# Altium PCB PCB1.PcbDoc
Units mil, origin at the board's own origin, x right, y up, seen from the top; angles counter-clockwise.
Board outline 3945 x 3545 mil, 2 copper layers (Top Layer, Bottom Layer); 30 components, 25 nets, 115 pads, 0 vias.
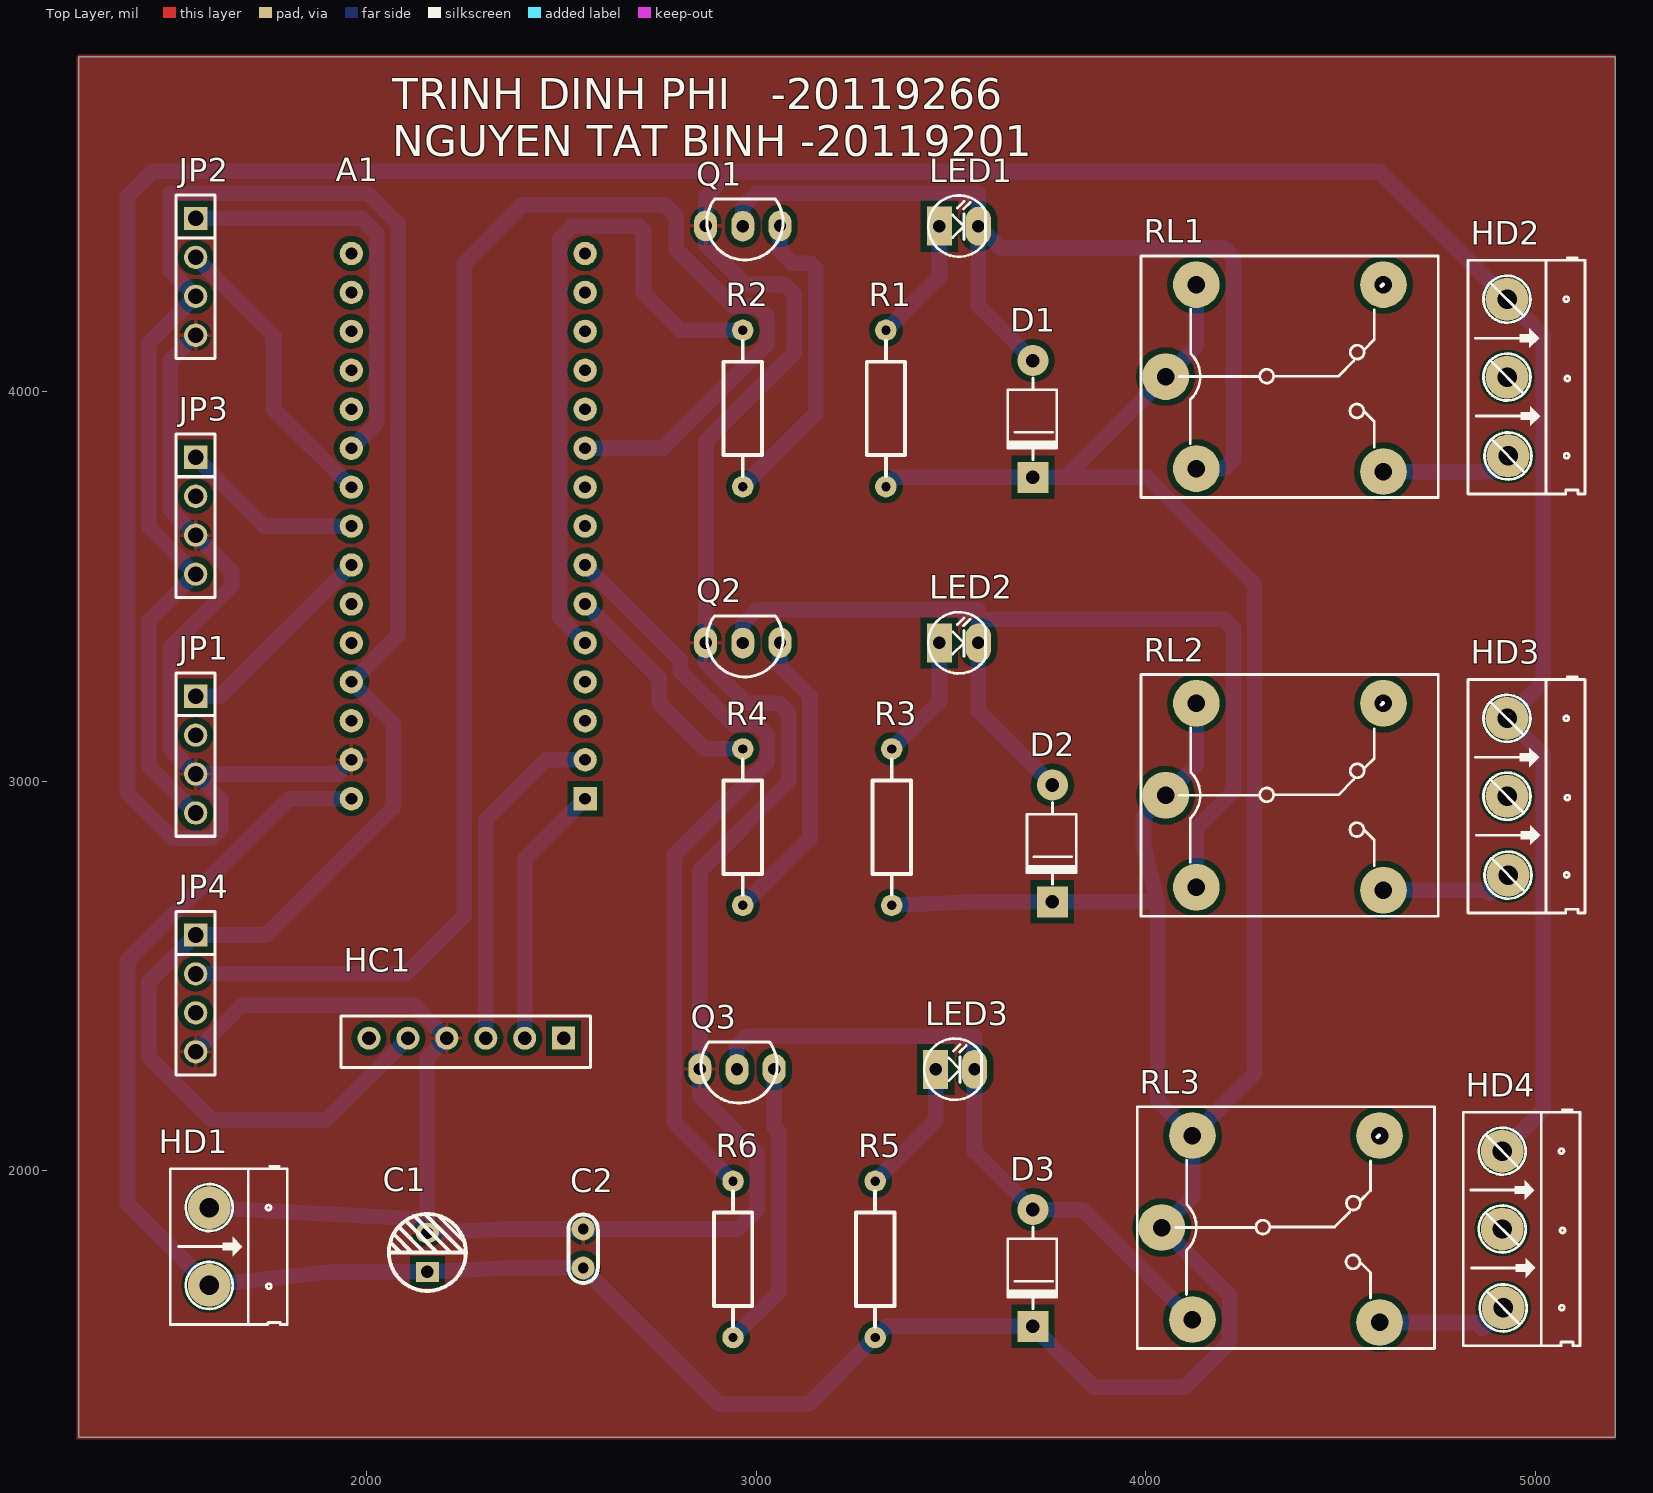
[diagram p0: Top Layer view]
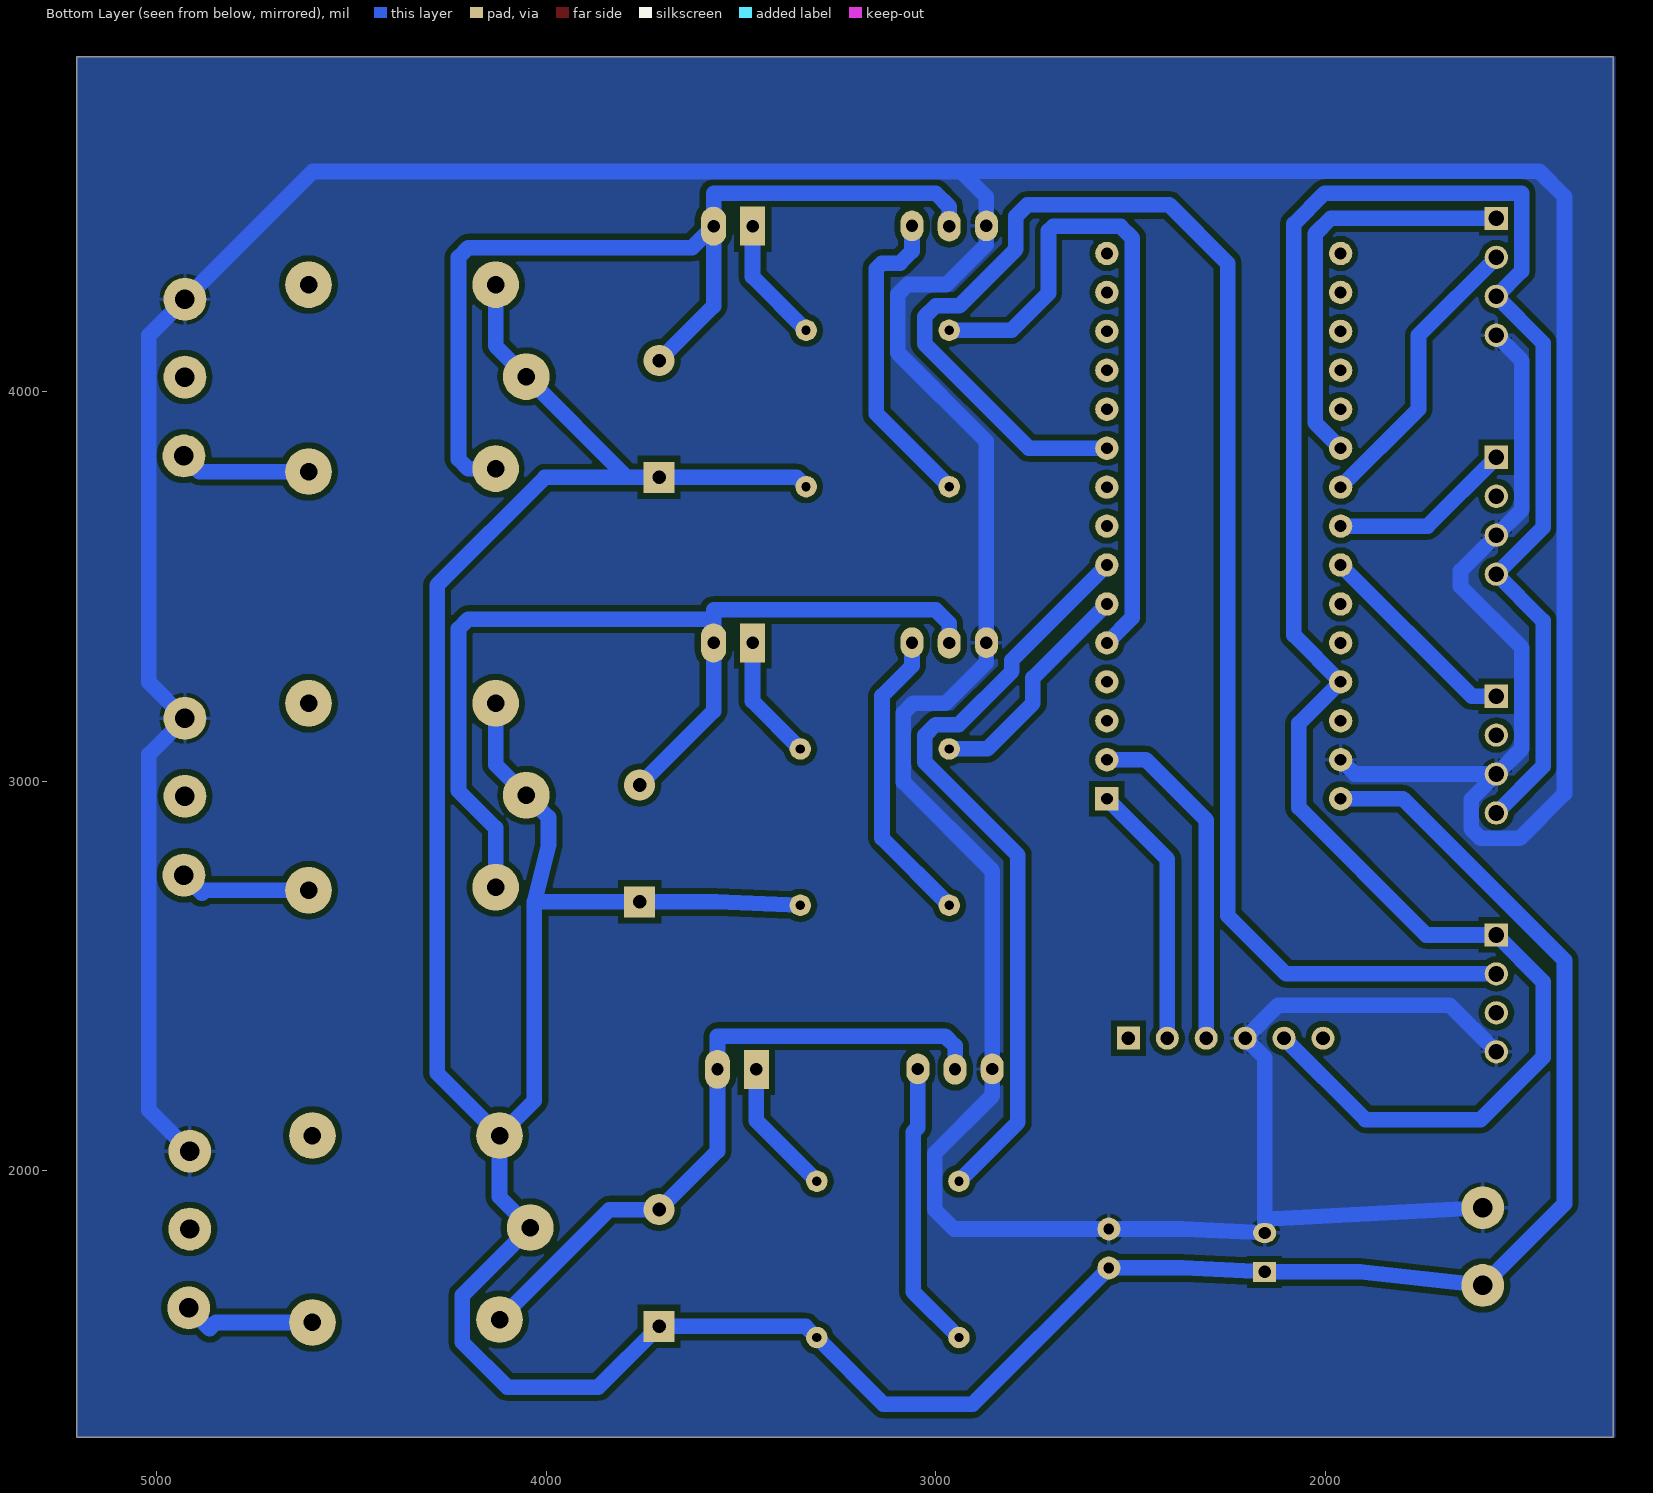
[diagram p1: Bottom Layer view, seen from below]
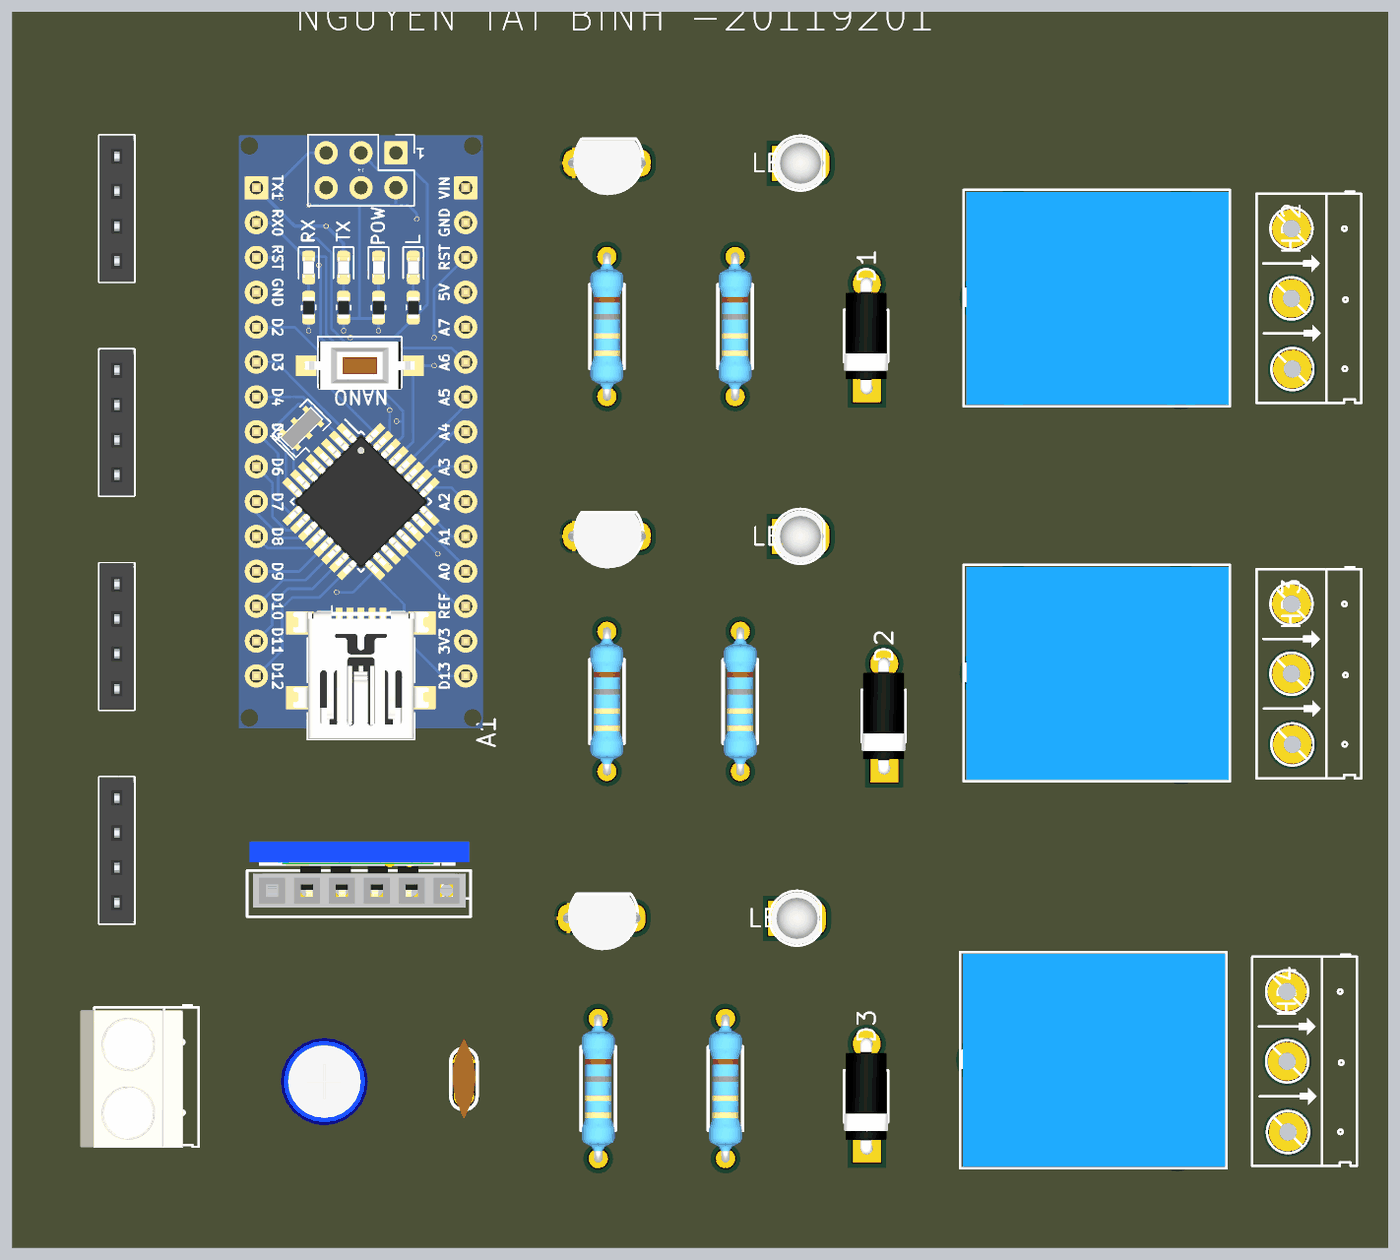
[diagram p2: 3D render of the assembled board from above, using the file's embedded part models]

## Layer stack, top to bottom
Top Solder: solder mask 0.4, Solder Resist, Dk 3.5
Top Layer: signal copper 1.4
Dielectric 1: dielectric 12.6, FR-4, Dk 4.8
Bottom Layer: signal copper 1.4
Bottom Solder: solder mask 0.4, Solder Resist, Dk 3.5

## Board outline
1260,1315 5205,1315 5205,4860 1260,4860

## Design rules (kind name [scope] priority, off if disabled: settings)
Clearance [All] p1: gap=15
PolygonConnect [All] p1: connectstyle=Relief reliefconductorwidth=10 reliefentries=4 polygonreliefangle="90 Angle" airgapwidth=10
RoutingLayers [All] p1: top layer_v5=FALSE bottom layer_v5=TRUE
RoutingVias [All] p1: holewidth=28 width=50 viastyle="Through Hole" minholewidth=28 minwidth=50 maxholewidth=28 maxwidth=50
SilkToSilkClearance [IsText vs IsPolygon] p1: silktosilkclearance=10
SilkToSolderMaskClearance [IsText] p1: minsilkscreentomaskgap=10 clearancetoexposedcopper=TRUE
SolderMaskExpansion [All] p1: expansion=4
Width [All] p1: maxlimit=80 minlimit=20 preferedwidth=40
27 further rules are at their usual default settings.

## Components (designator, comment, footprint, x,y, rotation, side; value= is the part's Value field where it differs from the comment)
A1 "Nano" "Arduino nano" 2620,2795 r90 top
C1 "47uF" "tu hoa 5mm" 2155,1790 r90 top
C2 "104" "tu gom" 2555,1800 r90 top
D1 "100v" "DIODE 1A" 3710,4130 r90 top
D2 "100v" "DIODE 1A" 3760,3040 r90 top
D3 "100v" "DIODE 1A" 3710,1950 r90 top
HC1 "HC05 Bluetooth" "HC05 Bluethooth Dung" 2505,2340 r180 top
HD1 "Header 2" HED2 1595,1905 r270 top
HD2 "Header 3" HED3 4927.38,4237.62 r270 top
HD3 "Header 3" HED3 4927.38,3161.31 r270 top
HD4 "Header 3" HED3 4915,2050 r270 top
JP1 "Cb_Anh_Sang" "JP 1x4 CT" 1560,3218.33 r270 top
JP2 "RTC" "JP 1x4 CT" 1560,4445 r270 top
JP3 "Cb_Do_Am_Dat" "JP 1x4 CT" 1560,3831.67 r270 top
JP4 "DHT11" "JP 1x4 CT" 1560,2605 r270 top
LED1 "LED" LED-3 3470,4425 r0 top
LED2 "LED" LED-3 3470,3355 r0 top
LED3 "LED" LED-3 3460,2260 r0 top
Q1 "NPN" TRAN-LOWPOWER 2970.47,4430.94 r90 top
Q2 "NPN" TRAN-LOWPOWER 2970.47,3360.59 r90 top
Q3 "NPN" TRAN-LOWPOWER 2955.47,2265.94 r90 top
R1 "1k" "tro vach 1/4w" 3332.36,3957.03 r90 top
R2 "5.6k" "tro vach 1/4w" 2965,3957.03 r90 top
R3 "1k" "tro vach 1/4w" 3347.36,2882.03 r90 top
R4 "5.6k" "tro vach 1/4w" 2965,2882.03 r90 top
R5 "1k" "tro vach 1/4w" 3304.86,1772.03 r90 top
R6 "5.6k" "tro vach 1/4w" 2940,1772.03 r90 top
RL1 "Relay" "Relay 5 Chan SRD" 4050.94,4038.78 r0 top
RL2 "Relay" "Relay 5 Chan SRD" 4050.94,2963.78 r0 top
RL3 "Relay" "Relay 5 Chan SRD" 4040.94,1853.78 r0 top

## Footprints (in the part's own frame and the unit in brackets; to place one, negate y for a bottom-side part, rotate by r counter-clockwise, add the part's x,y. Pads: shape width x height; smd on the part's side, far side on the other; paste and mask are expansions set on the pad)
"Arduino nano" [mil] "arduino nano"
  rect 60x60 hole 30: 0(160,60)
  round 60 hole 30: 1(260,60) 2(360,60) 3(460,60) 4(560,60) 5(660,60) 6(760,60) 7(860,60) 8(960,60) 9(1060,60) 10(1160,60) 11(1260,60) 12(1360,60) 13(1460,60) 14(1560,60) 15(1560,660) 16(1460,660) 17(1360,660) 18(1260,660) 19(1160,660) 20(1060,660) 21(960,660) 22(860,660) 23(760,660) 24(660,660) 25(560,660) 26(460,660) 27(360,660) 28(260,660) 29(160,660)
  body extent -25,10 1715,710, height 507
"DIODE 1A" [mil] "Diode 1A"
  round 80 hole 35: 1(-50,0)
  rect 80x80 hole 35: 2(-350,0)
  silkscreen extent -305,-61 -95,65, body extent -366,-61 -34,65, height 122
"HC05 Bluethooth Dung" [mm] "Connector; Header; 6 Position"
  rect 1.5x1.5 hole 0.9: 1(0,0)
  round 1.5 hole 0.9: 2(2.54,0) 3(5.08,0) 4(7.62,0) 5(10.16,0) 6(12.7,0)
  silkscreen extent -1.76,-1.46 14.51,1.9, body extent -1.65,-3.56 14.35,1.26, height 38
HED2 [mil] "Header 2, 2 pin, hight 300mil, Pin to Pin 200, Colour Green"
  round 110 hole 50: 1(0,0) 2(200,0)
  silkscreen extent -106,-100 300,200, body extent -92,-140 302,155, height 394
HED3 [mil] "Header 3, 3 pin, hight 300mil, Pin to Pin 200, Colour Green"
  round 110 hole 50: 1(0,0) 2(200,0) 3(402.62,2.62)
  silkscreen extent -106,-100 500,200
"JP 1x4 CT" [mm]
  rect 1.52x1.52 hole 1.02: 1(0,0)
  round 1.52 hole 1.02: 2(2.54,0) 3(5.08,0) 4(7.62,0)
  silkscreen extent -1.52,-1.27 9.14,1.27, body extent -1.52,-1.25 9.14,1.25, height 8.51
LED-3 [mil] "LED 2 PIN, 3ly Only colour"
  rect 65x100 hole 32: 1(0,0)
  oval 65x100 hole 32: 2(100,0)
  silkscreen extent -29,-78 118,79, body extent -25,-75 113,75, height 217
"Relay 5 Chan SRD" [mil] "Relay SPDT, 5 pin, 10A,W 650mil, L 800mil, H 800mil"
  round 120 hole 45: 1(0,0) 2(559.06,236.22) 3(559.06,-243.78) 4(78.74,-236.22) 5(78.74,236.22)
  silkscreen extent -63,-311 700,310, body extent -55,-306 697,304, height 602
TRAN-LOWPOWER [mm] "TO, Flat Index; 3 In-Line, Axial Leads; Body Dia. 4.5mm; Leads 0.51 x 0.48 mm (max)"
  oval 2x1.5 hole 0.8: 1(-0.127,-2.286) 2(-0.151,0.139) 3(-0.127,2.564)
  silkscreen extent -2.35,-2.48 1.63,2.48, body extent -2.48,-2.79 1.52,3.01, height 11
"tro vach 1/4w" [mm]
  round 1.4 hole 0.6: 1(-5.1,0) 2(5.1,0)
  silkscreen extent -4.39,-1.25 4.42,1.25, body extent -5.38,-1.2 5.38,1.2, height 2.41
"tu gom" [mm] "Tu gom mini"
  round 1.5 hole 0.7: 1(-1.27,0) 2(1.27,0)
  silkscreen extent -2.25,-0.97 2.22,0.97, body extent -2.92,-0.85 2.92,0.85, height 6.12
"tu hoa 5mm" [mm]
  rect 1.3x1.5 hole 0.8: 1(-1.27,0)
  oval 1.3x1.5 hole 0.8: 2(1.27,0)
  silkscreen extent -2.51,-2.51 2.51,2.51, body extent -3.12,-3.18 3.23,3.18, height 14.55

## Part data
A1: library part "Arduino Nano"
C1: library part "Tu Hoa 47uF 25V 5x8", "C?m"
C2: library part "Tu gom 104 50V", "C?m"
D1 D2 D3: library part "Diode 1N4007", "C?m"
HC1: "Bluetooth HC05"
HD1: library part Hed2, "Header 2 (Green)"
HD2 HD3 HD4: library part Hed3, "Header 3 (Green)"
JP1 JP2 JP3 JP4: library part "JP 1x4 2.54 Cai Thang", "C?m"
LED1 LED2 LED3: "LED Single colour Green and Red"
Q1 Q2 Q3: "NPN General"
R1 R2 R3 R4 R5 R6: library part "Tro Vach 1/4W 5% 5.6k", "C?m"
RL1 RL2 RL3: library part "Relay 5 Chan SRD", "Relay 5 Chan"

## Nets (pads, with @x,y where several pads share a name; then routed paths per layer and width w, separated by ;. In a path a pad name is that pad's centre, name@x,y a point inside that pad or via, vN(x,y) a via of type N, cw(c..) or ccw(c..) an arc to the next point about the centre after c; other vN are vias at no path point)
5V: A1.26 HC1.5 JP1.4 JP2.3 JP3.4 JP4.1 | length 5851.9
  Bottom Layer w40: JP1.4 1440,3038.33 1440,3411.67 JP3.4 1440,3651.67 1440,4125 JP2.3 1495.08,4309.92 1495.08,4509.92 2001.08,4509.92 2080,4431 2080,3375 A1.26 2067,3148 2067,2932 1740,2605 JP4.1 1440,2485 1440,2291 1600,2131 1896,2131 HC1.5
A0: A1.22 JP3.1 | length 473.2
  Bottom Layer w40: JP3.1 1736.67,3655 A1.22
A1: A1.23 JP1.1 | length 539.5
  Bottom Layer w40: JP1.1 1623.33,3218.33 A1.23
D0: A1.0 HC1.2 | length 679.2
  Bottom Layer w40: HC1.2 2405,2800 A1.0
D1: A1.1 HC1.3 | length 879.2
  Bottom Layer w40: HC1.3 2305,2900 2460,3055 A1.1
D2: A1.4 R2.2 | length 1753
  Bottom Layer w40: A1.4 2495,3420 2495,4394.5 2525,4424.5 2698.32,4424.5 2709.93,4412.89 2709.93,4252.96 2805.07,4157.82 R2.2
D3: A1.5 R4.2 | length 597.2
  Bottom Layer w40: A1.5 2750,3265 2750,3200 2867.18,3082.82 R4.2
D4: A1.6 R6.2 | length 1972
  Bottom Layer w40: A1.6 2804,3311 2804,3282 2940.62,3145.38 3000,3145.38 3027.56,3117.82 3027.56,3048.56 2789,2810 2789,2123.82 R6.2
DATA: A1.9 JP4.2 | length 4084.4
  Bottom Layer w40: JP4.2 2100,2505 2250,2655 2250,4330 2400,4480 2764,4480 2794,4450 2794,4365.38 2939,4220.38 3000,4220.38 3028,4192.38 3028,4123 2760,3855 A1.9
GND: A1.28 C1.2 C2.2 HC1.4 HD1.1 HD2.1 HD3.1 HD4.1 JP1.3 JP2.4 JP3.3 JP4.4 Q1.3 Q2.3 Q3.3 | length 17352.4
  Bottom Layer w40: JP4.4 1680,2425 2120,2425 HC1.4 2155,2290 2155,1875 ; JP2.4 1495,4080 1495,3696.67 JP3.3 1652,3539.67 1652,3500 1495,3343 1495,3083.33 JP1.3 ; HD1.1 2155,1875 ; A1.28 1923.33,3018.33 JP1.3 ; HD4.1 5020,2155 5020,3068.69 HD3.1 5020,3253.93 5020,4145 HD2.1 4599.47,4565.53 ; JP1.3 1625,2953.33 1625,2878 1600,2853 1500,2853 1385,2968 1385,4501 1450,4566 4599,4566 4599.47,4565.53 ; 2155,1875 C1.2 2365,1850 C2.2 2952.56,1850 3002.56,1900 3002.56,2044 2854.53,2192.03 Q3.3 2854.53,2769.78 3082.56,2997.82 3082.56,3175 3057.18,3200.38 2973.48,3200.38 2869.53,3304.33 Q2.3 2869.53,3872.45 3097.08,4100 3097.08,4250 3071.7,4275.38 2972.18,4275.38 2869.53,4378.03 Q1.3 2869.53,4500 2935.06,4565.53 4599.47,4565.53
NetD1_1: D1.1 LED1.2 Q1.2 RL1.4 | length 2469.9
  Bottom Layer w40: Q1.2 2965,4475 3000,4510 3570,4510 LED1.2 ; D1.1 3570,4220 LED1.2 ; RL1.4 4129.69,3802 4200,3802 4225,3827 4225,4345 4200,4370 3625,4370 LED1.2
NetD2_1: D2.1 LED2.2 Q2.2 RL2.4 | length 2566.8
  Bottom Layer w40: Q2.2 2965,3405 3000,3440 3570,3440 3570,3416 ; D2.1 3570,3180 LED2.2 3570,3416 ; RL2.4 4129.69,2879.69 4225,2975 4225,3391 4200,3416 3570,3416
NetD3_1: D3.1 LED3.2 Q3.2 RL3.4 | length 1714.2
  Bottom Layer w40: Q3.2 2950,2320 2975,2345 3560,2345 LED3.2 3560,2050 D3.1 3837.25,1900 RL3.4
NetHD2_3: HD2.3 RL1.3 | length 336.6
  Bottom Layer w40: RL1.3 4890,3795 HD2.3
NetHD3_3: HD3.3 RL2.3 | length 342.4
  Bottom Layer w40: RL2.3 4876,2720 4883.65,2712.35 HD3.3
NetHD4_3: HD4.3 RL3.3 | length 346.6
  Bottom Layer w40: RL3.3 4847.76,1610 4864,1593.76 HD4.3
NetLED1_1: LED1.1 R1.2 | length 324.2
  Bottom Layer w40: R1.2 3470,4295.45 LED1.1
NetLED2_1: LED2.1 R3.2 | length 323
  Bottom Layer w40: R3.2 3470,3205.45 LED2.1
NetLED3_1: LED3.1 R5.2 | length 351.4
  Bottom Layer w40: R5.2 3460,2127.95 LED3.1
NetQ1_1: Q1.1 R2.1 | length 812.2
  Bottom Layer w40: R2.1 3152.08,3943.32 3152.08,4315.86 3137.56,4330.38 3091.42,4330.38 3060.47,4361.32 Q1.1
NetQ2_1: Q2.1 R4.1 | length 777.8
  Bottom Layer w40: R4.1 3137.56,2853.8 3137.56,3218.91 3060.47,3296 Q2.1
NetQ3_1: Q3.1 R6.1 | length 743.4
  Bottom Layer w40: R6.1 3057.56,1688.8 3057.56,2098.64 3045.47,2110.73 Q3.1
SCL: A1.20 JP2.1 | length 1058.8
  Bottom Layer w40: JP2.1 1985.56,4445 2025,4405.56 2025,3920 A1.20
SDA: A1.21 JP2.2 | length 755.7
  Bottom Layer w40: JP2.2 1760,4145 1760,3955 A1.21
Vin: A1.29 C1.1 C2.1 D1.2 D2.2 D3.2 HD1.2 R1.1 R3.1 R5.1 RL1.1 RL1.5 RL2.1 RL2.5 RL3.1 RL3.5 | length 10343.8
  Bottom Layer w40: A1.29 1800,2955 1385,2540 1385,1915 HD1.2 1910,1740 C1.1 2365,1750 C2.1 2905,1400 3133.62,1400 R5.1 3333.62,1600 D3.2 3866,1444 4100,1444 4215,1559 4215,1679.72 RL3.1 4119.69,1932.52 RL3.5 ; R1.1 3356.12,3780 D1.2 3792.16,3780 ; R3.1 3562.76,2690 D2.2 4030,2690 ; RL2.5 4129.69,3042.52 RL2.1 3994,2906.84 3994,2835.06 4030,2690 ; RL1.5 4129.69,4117.52 RL1.1 3792.16,3780 ; 3792.16,3780 4003,3780 4280,3503 4280,2250.31 RL3.5 ; 4030,2690 4030,2179.69 RL3.5
pads on no net: A1.2 A1.3 A1.7 A1.8 A1.10 A1.11 A1.12 A1.13 A1.14 A1.15 A1.16 A1.17 A1.18 A1.19 A1.24 A1.25 A1.27 HC1.1 HC1.6 HD2.2 HD3.2 HD4.2 JP1.2 JP3.2 JP4.3 RL1.2 RL2.2 RL3.2

## Polygon pours and split planes (outlines as drawn)
GND on Bottom Layer "Top Layer-No Net" (solid, pour order 0): 1260,4860 5205,4860 5205,1315 1255,1315 1255,4860
GND on Top Layer "Top Layer-No Net" (solid, pour order 2): 1255,4860 1260,4865 5205,4865 5205,1310 1255,1310 1255,4860

## Silkscreen, mask and mechanical layers (free items; w line width, h text height)
Top Overlay:
  text "TRINH DINH PHI   -20119266 / NGUYEN TAT BINH -20119201" at 2065,4605 h80
Mechanical 1:
  lines w50: 1235,1315 ccw(c1260,1315) 1260,1290 ; 1235,1315 ccw(c1260,1315) 1260,1290 ; 1235,1315 1235,4860 ; 1235,4860 cw(c1260,4860) 1260,4885 ; 1235,4860 cw(c1260,4860) 1260,4885 ; 1260,1290 5205,1290 ; 1260,4885 5205,4885 ; 5205,1290 ccw(c5205,1315) 5230,1315 ; 5205,1290 ccw(c5205,1315) 5230,1315 ; 5205,4885 cw(c5205,4860) 5230,4860 ; 5205,4885 cw(c5205,4860) 5230,4860 ; 5230,1315 5230,4860 ; 1285,1340 1285,4835 5180,4835 5180,1340 1285,1340